# Altium PCB SDC.PcbDoc (part 1 of 3) (continued)
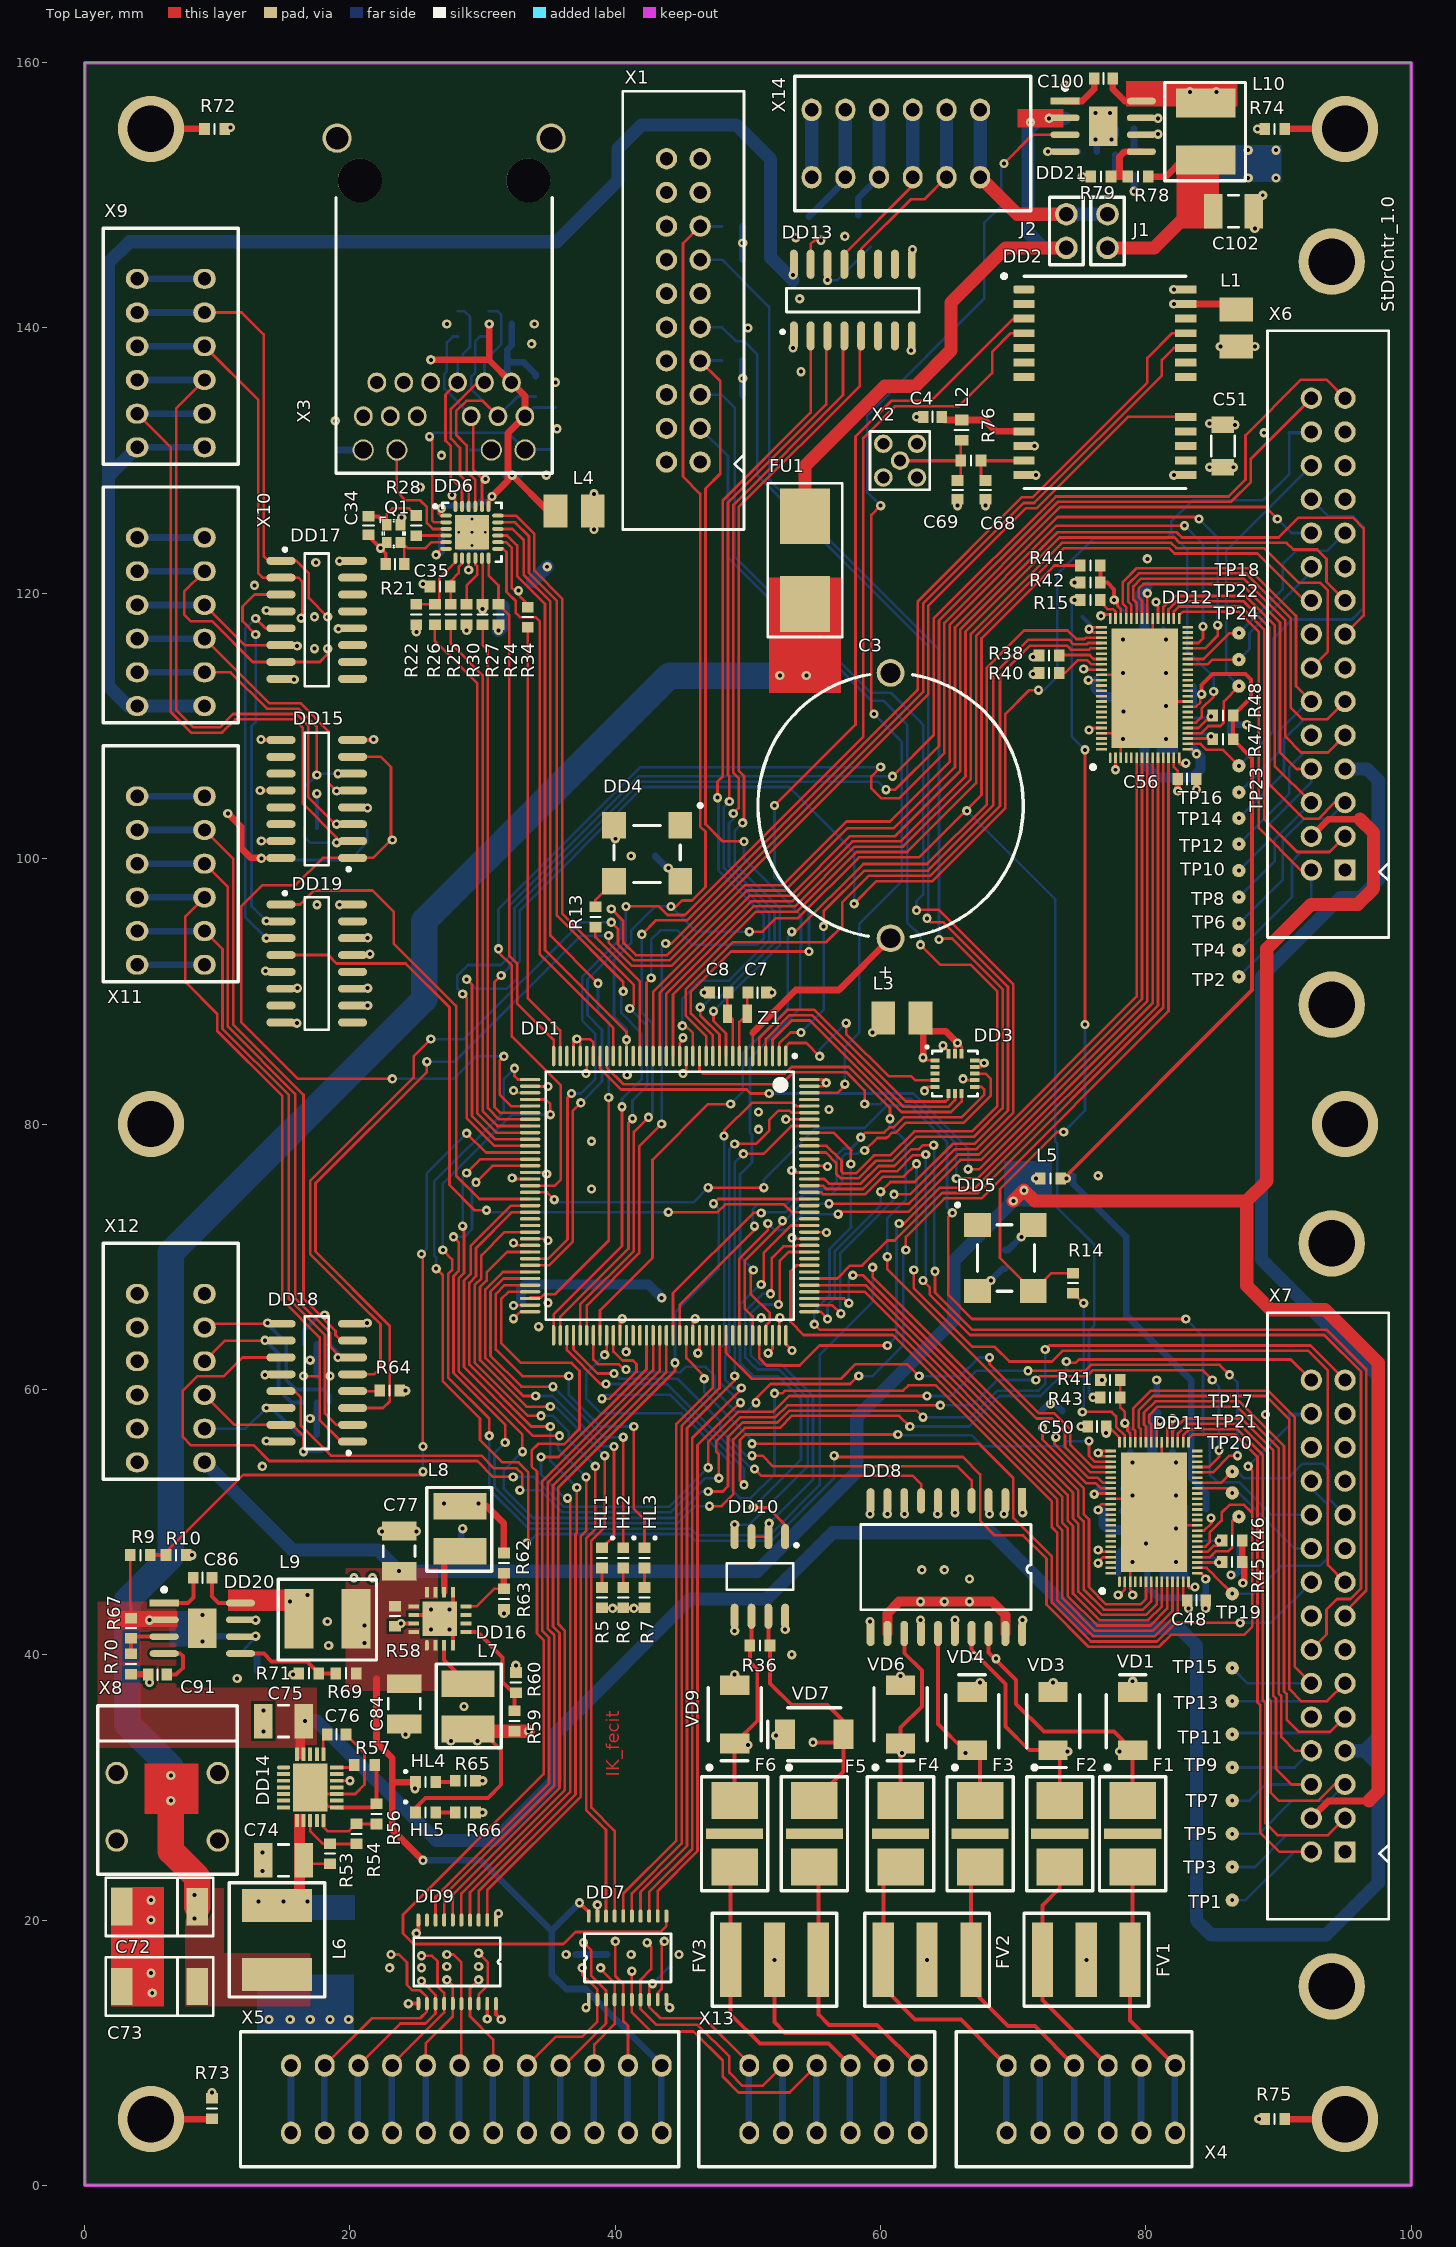
[diagram p0: Top Layer view]
## Components (designator, comment, footprint, x,y, rotation, side; value= is the part's Value field where it differs from the comment)
C1 "CAP" C0603 40.9,85.1 r90 bottom
C2 "CAP" C0603 81.7,142.3 r270 bottom
C3 "KR-5R5H155-R" KR-5R5H155-R 60.75,104 r270 top
C4 "CAP" C0603 63.9,133.3 r0 top
C5 "CAP" C0603 51.1,64 r270 bottom
C6 "CAP" C0603 33.6,66.5 r180 bottom
C7 "CAP" C0603 50.7,89.9 r180 top
C8 "CAP" C0603 47.8,89.9 r0 top
C9 "CAP" C0603 65.8,84.7 r90 bottom
C10 "CAP" C0603 63.2,83.8 r90 bottom
C11 "CAP" C0603 42.3,100.2 r0 bottom
C12 "CAP" C0603 69.4,69.8 r90 bottom
C13 "CAP" C0603 40.6,64 r270 bottom
C14 "CAP" C0603 46.1,64 r270 bottom
C15 "CAP" C0603 53.1,64.1 r270 bottom
C16 "CAP" C0603 54.7,71.4 r0 bottom
C17 "CAP" C0603 54.7,76.6 r0 bottom
C18 "CAP" C0603 56.1,82.3 r90 bottom
C19 "CAP" C0603 45.1,85.1 r90 bottom
C20 "CAP" C0603 37.6,85.1 r90 bottom
C21 "CAP" C0603 33.6,82.6 r180 bottom
C22 "CAP" C0603 33.6,76.1 r180 bottom
C23 "CAP" C0603 33.6,71.1 r180 bottom
C24 "CAP" C0603 33.6,65.3 r180 bottom
C25 "CAP" C0603 30.5,126.2 r90 bottom
C26 "CAP" C0603 27.5,125.7 r180 bottom
C27 "CAP" C0603 33.5,128.9 r180 bottom
C28 "CAP" C0603 29.7,122.6 r270 bottom
C29 "CAP" C0603 27.6,124.4 r180 bottom
C30 "CAP" C0603 27.6,123.1 r180 bottom
C31 "CAP" C0603 32.9,140.3 r0 bottom
C32 "CAP" C0603 35.5,134.7 r270 bottom
C33 "CAP" C0603 33.1,138.1 r270 bottom
C34 "CAP" C0603 21.4,125.1 r90 top
C35 "CAP" C0603 23.4,122.2 r0 top
C36 "CAP" C0603 70,50.1 r180 bottom
C37 "CAP" C0603 53.3,41.2 r90 bottom
C38 "CAP" C0603 30.9,12.1 r0 bottom
C39 "CAP" C0603 78.8,56 r90 bottom
C40 "CAP" C0603 78.5,117.8 r90 bottom
C41 "CAP" C0603 83.85,49.75 r0 bottom
C42 "CAP" C0603 83.85,50.95 r0 bottom
C43 "CAP" C0603 82.9,113 r0 bottom
C44 "CAP" C0603 82.9,111.8 r0 bottom
C45 "CAP" C1206 38.2,76.8 r270 bottom
C46 "CAP" C0603 77.5,47.9 r180 bottom
C47 "CAP" C0603 77.9,45.5 r270 bottom
C48 "CAP" C0603 83.8,44.1 r180 top
C49 "CAP" C0603 82,56 r90 bottom
C50 "CAP" C0603 76.3,57.2 r0 top
C51 "CAP" C1206 85.8,131.1 r270 top
C52 "CAP" C0603 77,109.7 r180 bottom
C53 "CAP" C0603 76.9,114.6 r180 bottom
C54 "CAP" C0603 75.9,118.2 r0 bottom
C55 "CAP" C0603 81.3,118.1 r90 bottom
C56 "CAP" C0603 83.1,106 r180 top
C57 "CAP" C0603 83.6,46.1 r0 bottom
C58 "CAP" C0603 77.5,50.8 r180 bottom
C59 "CAP" C0603 80.8,58.9 r270 bottom
C60 "CAP" C0603 82.9,108.2 r0 bottom
C61 "CAP" C0603 76.9,113.4 r180 bottom
C62 "CAP" C0603 80.1,121.2 r270 bottom
C63 "CAP" C0603 83.6,47.3 r0 bottom
C64 "CAP" C0603 83.6,48.5 r0 bottom
C65 "CAP" C0603 75.2,76.1 r180 bottom
C66 "CAP" C0603 82.9,109.4 r0 bottom
C67 "CAP" C0603 82.9,110.6 r0 bottom
C68 "CAP" C0603 67.9,127.8 r90 top
C69 "CAP" C0603 65.8,127.8 r90 top
C70 "CAP" C0603 90.1,132.1 r0 bottom
C71 "CAP" C0603 90.1,58.1 r0 bottom
C72 "caseD" Cap_D 8.5,21 r0 top
C73 "caseD" Cap_D 8.5,15 r0 top
C74 "CAP" C1210 15,24.5 r0 top
C75 "CAP" C1210 15,35 r0 top
C76 "CAP" C0603 19,34 r180 top
C77 "CAP" C1210 23.7,47.8 r270 top
C78 "CAP" C1210 28.6,35 r270 bottom
C79 "CAP" C0603 18.1,122.4 r0 bottom
C80 "CAP" C0603 18.2,96.5 r0 bottom
C81 "CAP" C0603 13.4,55.3 r90 bottom
C82 "CAP" C0603 14,100.6 r270 bottom
C83 "CAP" C0603 25.5,42.3 r180 bottom
C84 "CAP" C1210 24.1,36.3 r90 top
C85 "CAP" C1210 28.4,49.9 r90 bottom
C86 "CAP" C0603 8.9,45.8 r180 top
C87 "CAP" C0805 6,42.63 r180 bottom
C88 "CAP" C1210 19.6,41.6 r0 bottom
C89 "CAP" C0603 12.3,38.8 r0 bottom
C90 "CAP" C0603 12.3,41.4 r0 bottom
C91 "CAP" C0603 5.5,38.5 r0 top
C92 "caseD" Cap_D 19,21 r90 bottom
C93 "caseD" Cap_D 14,21 r90 bottom
C94 "CAP" C0603 66.7,44.7 r270 bottom
C95 "CAP" C1210 63.9,45.7 r270 bottom
C96 "CAP" C0603 77.6,52.5 r180 bottom
C97 "CAP" C0603 77.9,107.8 r270 bottom
C98 "CAP" C0603 53.4,137.4 r90 bottom
C99 "CAP" C0603 53.4,142.9 r90 bottom
C100 "CAP" C0603 76.8,158.8 r180 top
C101 "CAP" C0805 73.9,156.7 r270 bottom
C102 "CAP" C1210 86.6,148.8 r180 top
C103 "CAP" C0603 78.4,151.5 r180 bottom
C104 "CAP" C0603 78.4,155 r0 bottom
C105 "CAP" C0603 75.6,153.3 r180 bottom
DA1 "USBLC6" ESD_SOT23-6L 29.3,140.3 r90 bottom
DD1 "STM32H743ZxT" STM-LQFP144_L 44.1,74.6 r270 top
DD2 "SIM68V" SIM68M 70.8,142.9 r0 top
DD3 "LIS3DH" LGA-16 64.1,84.8 r0 top
DD4 "KXO-V97" SO4-GEN 44.9,102.5 r270 top
DD5 "KXO-V97" SO4-GEN 67.3,72.4 r0 top
DD6 "LAN8742A" QFN-MJ24 29.2,124.6 r0 top
DD7 "74HC245PWR" TSSOP20 38,14 r90 top
DD8 "ADM2587E" SOIC_20W 69.4,51.6 r270 top
DD9 "74LVC45APWR" TSSOP20 31,20 r270 top
DD10 "STM3485" SO8_L 50.9,45.9 r270 top
DD11 "TMC4671" QFN76 78,45.5 r90 top
DD12 "TMC4671" QFN76 77.3,107.6 r90 top
DD13 "Si8660BA-IS" SO-16_N 57.9,142.1 r90 top
DD14 "TPS26600RHFR" VQFN24 15,31.5 r0 top
DD15 "AM26C31CD" SO-16_N 17.5,104.5 r180 top
DD16 "LM26420X" WQFN16 25.8,40.7 r90 top
DD17 "AM26LV32ID" SO-16_N 17.5,118 r0 top
DD18 "AM26LV32ID" SO-16_N 17.5,60.5 r180 top
DD19 "74HC257" SO-16_N 17.5,92.1 r0 top
DD20 "TPS54332" DDA 6,43.9 r0 top
DD21 "TPS54332" DDA 73.9,157.1 r0 top
F1 "TBU-CA065" TBU-CA 79,26.5 r270 top
F2 "TBU-CA065" TBU-CA 73.5,26.5 r270 top
F3 "TBU-CA065" TBU-CA 67.5,26.5 r270 top
F4 "TBU-CA065" TBU-CA 61.5,26.5 r270 top
F5 "TBU-CA065" TBU-CA 55,26.5 r270 top
F6 "TBU-CA065" TBU-CA 49,26.5 r270 top
FU1 "0154010" omni_block_154 54.3,122.5 r90 top
FV1 "2030-42T-SM" 2030-42T-SM 75.5,17 r0 top
FV2 "2030-42T-SM" 2030-42T-SM 63.5,17 r0 top
FV3 "2030-42T-SM" 2030-42T-SM 52,17 r0 top
HL1 "LED0603" LED0603 39,47.3 r270 top
HL2 "LED0603" LED0603 40.6,47.3 r270 top
HL3 "LED0603" LED0603 42.2,47.3 r270 top
HL4 "LED0603" LED0603 25.7,30.4 r0 top
HL5 "LED0603" LED0603 25.7,28.1 r0 top
J1 "JUMP" JUMP 77.1,147.3 r270 top
J2 "JUMP" JUMP 74,147.3 r270 top
L1 "LQH32CN" LQH32CN 86.8,140 r270 top
L2 "FerriteBead" L0603 66.1,132.3 r270 top
L3 "LQH32CN" LQH32CN 61.6,88 r180 top
L4 "LQH32CN" LQH32CN 36.9,126.2 r180 top
L5 "BLM18AG" R0603 72.8,75.9 r0 top
L6 "XAL6060" XAL6060 14.5,18.5 r90 top
L7 "XAL4030" XAL4030 28.9,36.1 r270 top
L8 "XAL4030" XAL4030 28.3,49.5 r90 top
L9 "XAL5050" XAL5050 18.3,42.7 r0 top
L10 "XAL5050" XAL5050 84.5,154.8 r270 top
Q1 "NX2016SA" CRY_NX2016SA_4P 23.3,124.5 r270 top
R1 "RES" R0603 48.8,134.95 r180 bottom
R2 "RES" R0603 48.8,137.55 r180 bottom
R3 "RES" R0603 48.8,145.15 r180 bottom
R4 "RES" R0603 48.8,147.65 r180 bottom
R5 "RES" R0603 39,44.3 r90 top
R6 "RES" R0603 40.6,44.3 r90 top
R7 "RES" R0603 42.2,44.3 r90 top
R8 "RES" R0603 48.8,140.05 r0 bottom
R9 "RES" R0603 4.2,47.5 r180 top
R10 "RES" R0603 6.9,47.5 r180 top
R11 "RES" R0603 52.1,79.6 r180 bottom
R12 "RES" R0603 52.1,80.9 r0 bottom
R13 "RES" R0603 38.5,95.6 r90 top
R14 "RES" R0603 74.5,68 r90 top
R15 "RES" R0603 75.8,119.5 r180 top
R16 "RES" R0603 33,120.9 r180 bottom
R17 "RES" R0603 30.9,128.9 r0 bottom
R18 "RES" R0603 34,135.6 r90 bottom
R19 "RES" R0603 27.3,137.6 r180 bottom
R20 "RES" R0603 31.1,137.7 r0 bottom
R21 "RES" R0603 26.8,120.5 r0 top
R22 "RES" R0603 25,118.4 r90 top
R23 "RES" R0603 30.8,119 r180 bottom
R24 "RES" R0603 31.2,118.4 r90 top
R25 "RES" R0603 27.6,118.4 r270 top
R26 "RES" R0603 26.4,118.4 r270 top
R27 "RES" R0603 30,118.4 r270 top
R28 "RES" R0603 25,125.1 r270 top
R29 "RES" R0603 26.7,128 r0 bottom
R30 "RES" R0603 28.8,118.4 r90 top
R31 "RES" R0603 35.1,131.6 r270 bottom
R32 "RES" R0603 18.9,131.8 r270 bottom
R33 "RES" R0603 28.3,130.8 r0 bottom
R34 "RES" R0603 33.4,118.2 r270 top
R35 "RES" R0603 67.6,39.7 r180 bottom
R36 "RES" R0603 50.9,40.7 r180 top
R37 "RES" R0603 73.7,57.6 r90 bottom
R38 "RES" R0603 72.7,115.3 r180 top
R39 "RES" R0603 72.1,57.6 r90 bottom
R40 "RES" R0603 72.7,114 r180 top
R41 "RES" R0603 77.3,60.7 r180 top
R42 "RES" R0603 75.8,120.8 r180 top
R43 "RES" R0603 77.3,59.4 r180 top
R44 "RES" R0603 75.8,122.1 r180 top
R45 "RES" R0603 86.5,47 r0 top
R46 "RES" R0603 86.5,48.6 r0 top
R47 "RES" R0603 85.8,109 r0 top
R48 "RES" R0603 85.8,110.8 r0 top
R49 "RES" R0603 86.3,47.3 r180 bottom
R50 "RES" R0603 86.3,48.6 r180 bottom
R51 "RES" R0603 85.6,109.4 r180 bottom
R52 "RES" R0603 85.6,110.6 r180 bottom
R53 "RES" R0603 18.5,25 r270 top
R54 "RES" R0603 20.5,26.5 r270 top
R55 "RES" R0603 21.3,102.9 r270 bottom
R56 "RES" R0603 22,28 r270 top
R57 "RES" R0603 21.1,31.7 r180 top
R58 "RES" R0603 23.4,42.9 r90 top
R59 "RES" R0603 32.4,35 r270 top
R60 "RES" R0603 32.5,37.9 r270 top
R61 "RES" R0603 13.5,120 r90 bottom
R62 "RES" R0603 31.6,46.9 r90 top
R63 "RES" R0603 31.6,44.2 r90 top
R64 "RES" R0603 23,59.9 r0 top
R65 "RES" R0603 28.7,30.5 r180 top
R66 "RES" R0603 28.7,28.1 r180 top
R67 "RES" R0603 3.5,42 r90 top
R68 "RES" R0603 12.3,40.1 r0 bottom
R69 "RES" R0603 19.7,38.6 r0 top
R70 "RES" R0603 3.5,39.3 r90 top
R71 "RES" R0603 16.9,38.6 r0 top
R72 "RES" R0603 9.8,155 r0 top
R73 "RES" R0603 9.6,5.8 r90 top
R74 "RES" R0603 89.7,155 r180 top
R75 "RES" R0603 89.7,5 r180 top
R76 "RES" R0603 66.8,130 r0 top
R77 "RES" R0603 78.5,153.1 r180 bottom
R78 "RES" R0603 79.4,151.4 r0 top
R79 "RES" R0603 76.6,151.4 r0 top
TP1 "Test_point" TP1 86.5,21.5 r90 top
TP2 "Test_point" TP1 87,91.103 r90 top
TP3 "Test_point" TP1 86.5,24 r90 top
TP4 "Test_point" TP1 87,93.1 r90 top
TP5 "Test_point" TP1 86.5,26.5 r90 top
TP6 "Test_point" TP1 87,95.1 r90 top
TP7 "Test_point" TP1 86.5,29 r90 top
TP8 "Test_point" TP1 87,97.1 r90 top
TP9 "Test_point" TP1 86.5,31.5 r90 top
TP10 "Test_point" TP1 87,99.1 r90 top
TP11 "Test_point" TP1 86.5,34 r90 top
TP12 "Test_point" TP1 87,101.1 r90 top
TP13 "Test_point" TP1 86.5,36.5 r90 top
TP14 "Test_point" TP1 87,103.05 r90 top
TP15 "Test_point" TP1 86.5,39 r90 top
TP16 "Test_point" TP1 87,105 r90 top
TP17 "Test_point" TP1 86.5,53.8 r90 top
TP18 "Test_point" TP1 87,117 r90 top
TP19 "Test_point" TP1 86.5,44.6 r90 top
TP20 "Test_point" TP1 87,50.4 r90 top
TP21 "Test_point" TP1 86.5,52.2 r90 top (schematic designator TP17)
TP22 "Test_point" TP1 87,115 r90 top (schematic designator TP17)
TP23 "Test_point" TP1 87,107 r90 top (schematic designator TP17)
TP24 "Test_point" TP1 87,113 r90 top (schematic designator TP17)
VD1 "SMBJ" SMB-DO214 79,35 r270 top
VD2 "SMBJ" SMB-DO214 76,33 r0 bottom
VD3 "SMBJ" SMB-DO214 73,35 r90 top
VD4 "SMBJ" SMB-DO214 66.9,35 r270 top
VD5 "SMBJ" SMB-DO214 64.5,33 r0 bottom
VD6 "SMBJ" SMB-DO214 61.5,35.5 r90 top
VD7 "SMBJ" SMB-DO214 55,34 r0 top
VD8 "SMBJ" SMB-DO214 52,33.5 r0 bottom
VD9 "SMBJ" SMB-DO214 49,35.5 r90 top
VD10 "B550C" SMC-DO214 6,21 r0 bottom
VD11 "ESDA6V1SC6" SOT23-6 17.5,103.5 r270 bottom
VD12 "ESDA6V1SC6" SOT23-6 17.3,117 r90 bottom
VD13 "ESDA6V1SC6" SOT23-6 17.5,62.2 r270 bottom
VD14 "ESDA6V1SC6" SOT23-6 17.5,57.8 r90 bottom
VD15 "B320A" SMA-DO214 18.7,44.9 r180 bottom
VD16 "ESDA5V3SC6" SOT23-6 38.2,17.4 r0 bottom
VD17 "ESDA5V3SC6" SOT23-6 28.5,16.5 r180 bottom
VD18 "ESDA5V3SC6" SOT23-6 24.2,16.4 r180 bottom
VD19 "ESDA5V3SC6" SOT23-6 43,17.4 r0 bottom
VD20 "B320A" SMA-DO214 84.3,154.9 r90 bottom
VT1 "IRLML2803" SOT23 54.6,147.2 r90 bottom
VT2 "IRLML2803" SOT23 58.3,147.3 r90 bottom
X1 "BH-20" IDC-20(BH-20) 46.4,152.75 r270 top
X2 "MMCX" MMCX 60.2,130 r0 top
X3 "0826-1X1T-23-F" 0826-1X1T-23F 27.1,154.3 r0 top
X4 "DG141V-6P" DG141V-06P 82.2,6.5 r180 top
X5 "DG141V-12P" DG141V-12P 43.5,6.5 r180 top
X6 "BH-30" IDC-30(BH-30) 95,122 r270 top
X7 "BH-30" IDC-30(BH-30) 95,48 r270 top
X8 "DG142V-02" DG142V-02 7.5,26 r90 top
X9 "DG141V-6P" DG141V-06P 6.5,131 r90 top
X10 "DG141V-6P" DG141V-06P 6.5,111.5 r90 top
X11 "DG141V-6P" DG141V-06P 6.5,92 r90 top
X12 "DG141V-6P" DG141V-06P 6.5,54.5 r90 top
X13 "DG141V-6P" DG141V-06P 62.8,6.5 r180 top
X14 "DG141V-6P" DG141V-06P 54.8,153.9 r0 top
Z1 "FC-12M" FC-12M 49.2,88.3 r180 top

## Footprints (in the part's own frame and the unit in brackets; to place one, negate y for a bottom-side part, rotate by r counter-clockwise, add the part's x,y. Pads: shape width x height; smd on the part's side, far side on the other; paste and mask are expansions set on the pad)
0826-1X1T-23F [mm]
  round 3.3 hole 3.3 unplated: 0(-6.35,-3.18) 0(6.35,-3.18)
  oval 1.4x1.5 hole 1: 1(-5.075,-18.41) 2(-3.045,-18.41) 3(-1.015,-18.41) 4(1.015,-18.41) 5(3.045,-18.41) 6(5.075,-18.41) 7(-6.09,-20.95) 8(-4.06,-20.95) 9(-2.03,-20.95) 10(2.03,-20.95) 11(4.06,-20.95) 12(6.09,-20.95)
  round 1.6 hole 1.3: 13(-6.1,-23.5) 14(-3.56,-23.5) 15(3.56,-23.5) 16(6.1,-23.5)
  round 2.2 hole 1.7: 17(-8.065,0) 17(8.065,0)
  silkscreen extent -8.15,-25.25 8.15,-4.5, body extent -9.5,-25 9.5,7.69, height 14.97
2030-42T-SM [mm]
  rect 1.6x5.6 smd: 1(-3.3,0) 2(0,0) 3(3.3,0)
  silkscreen extent -4.7,-3.5 4.7,3.5
C0603 [mm] "Chip Capacitor, Body 1.6x0.8mm, IPC High Density"
  rect 0.8x0.9 smd: 1(-0.7,0) 2(0.7,0)
  silkscreen extent 0,-0.4 0,0.4, body extent -0.8,-0.4 0.8,0.4, height 0.79
C0805 [mm] "Chip Capacitor, Body 2.0x1.3mm, IPC High Density"
  rect 1.1x1.4 smd: 1(-0.889,0) 2(0.889,0)
  silkscreen extent 0,-0.6 0,0.6, body extent -1,-0.62 1,0.63, height 0.59
C1206 [mm]
  rect 1.25x1.7 smd: 1(-1.6,0) 2(1.6,0)
  silkscreen extent -0.76,-0.89 0.76,0.89, body extent -1.6,-0.8 1.6,0.8, height 0.77
C1210 [mm] "Chip Capacitor, Body 3.2x2.5mm, IPC High Density"
  rect 1.4x2.6 smd: 1(-1.524,0) 2(1.524,0)
  silkscreen extent -0.4,-1.2 0.4,1.2, body extent -1.6,-1.25 1.6,1.25, height 0.77
Cap_D [mm]
  rect 1.6x2.8 smd: 1(0,0) 2(-5.7,0)
  silkscreen extent -6.9,-2.2 1.2,2.2, body extent -6.55,-2.23 0.85,2.22, height 3.01
CRY_NX2016SA_4P [mm]
  rect 0.85x0.75 smd mask+0.05: 1(-0.675,-0.525) 2(0.675,-0.525) 3(0.675,0.525) 4(-0.675,0.525)
  silkscreen extent -1.22,-1.02 1.05,0.85, body extent -1.05,-0.85 1.05,0.85, height 0.7
DDA [mm]
  rect 2.2x0.5 smd: 1(0,0)
  oval 2.2x0.5 smd: 2(0,-1.27) 3(0,-2.54) 4(0,-3.81) 5(5.75,-3.81) 6(5.75,-2.54) 7(5.75,-1.27) 8(5.75,0)
  rect 2.13x3 smd: 9(2.875,-1.905)
  silkscreen extent -0.15,0.85 0.15,1.15
DG141V-06P [mm]
  oval 1.5x1.7 hole 1: 1(0,2.54) 1(0,-2.54) 2(2.54,2.54) 2(2.54,-2.54) 3(5.08,-2.54) 3(5.08,2.54) 4(7.62,-2.54) 4(7.62,2.54) 5(10.16,-2.54) 5(10.16,2.54) 6(12.7,-2.54) 6(12.7,2.54)
  silkscreen extent -1.27,-5.08 16.51,5.08
DG141V-12P [mm]
  oval 1.5x1.7 hole 1: 1(0,2.54) 1(0,-2.54) 2(2.54,2.54) 2(2.54,-2.54) 3(5.08,-2.54) 3(5.08,2.54) 4(7.62,-2.54) 4(7.62,2.54) 5(10.16,-2.54) 5(10.16,2.54) 6(12.7,-2.54) 6(12.7,2.54) 7(15.24,-2.54) 7(15.24,2.54) 8(17.78,-2.54) 8(17.78,2.54) 9(20.32,-2.54) 9(20.32,2.54) 10(22.86,-2.54) 10(22.86,2.54) 11(25.4,-2.54) 11(25.4,2.54) 12(27.94,-2.54) 12(27.94,2.54)
  silkscreen extent -1.27,-5.08 31.75,5.08
DG142V-02 [mm]
  round 1.7 hole 1.2: 1(0,5.08) 1(0,-2.54) 2(5.08,-2.54) 2(5.08,5.08)
  silkscreen extent -2.54,-4 10.16,6.5
ESD_SOT23-6L [mm]
  rect 0.6x1.2 smd mask+0.05: 1(-0.95,-1.15) 2(0,-1.15) 3(0.95,-1.15) 4(0.95,1.15) 5(0,1.15) 6(-0.95,1.15)
  silkscreen extent -1.87,-1.41 1.53,0.87, body extent -1.52,-1.5 1.52,1.5, height 1.45
FC-12M [mm]
  rect 0.7x1.4 smd: 1(-0.75,0) 2(0.75,0)
IDC-20(BH-20) [mm]
  round 1.6 hole 1: 1(22.86,0) 2(22.86,-2.54) 3(20.32,0) 4(20.32,-2.54) 5(17.78,0) 6(17.78,-2.54) 7(15.24,0) 8(15.24,-2.54) 9(12.7,0) 10(12.7,-2.54) 11(10.16,0) 12(10.16,-2.54) 13(7.62,0) 14(7.62,-2.54) 15(5.08,0) 16(5.08,-2.54) 17(2.54,0) 18(2.54,-2.54) 19(0,0) 20(0,-2.54)
  silkscreen extent -5.08,-5.84 27.94,3.3, body extent -5.01,-6 28.01,3.1, height 8.76
IDC-30(BH-30) [mm]
  rect 1.6x1.6 hole 1: 1(22.86,0)
  round 1.6 hole 1: 2(22.86,-2.54) 3(20.32,0) 4(20.32,-2.54) 5(17.78,0) 6(17.78,-2.54) 7(15.24,0) 8(15.24,-2.54) 9(12.7,0) 10(12.7,-2.54) 11(10.16,0) 12(10.16,-2.54) 13(7.62,0) 14(7.62,-2.54) 15(5.08,0) 16(5.08,-2.54) 17(2.54,0) 18(2.54,-2.54) 19(0,0) 20(0,-2.54) 21(-2.54,0) 22(-2.54,-2.54) 23(-5.08,0) 24(-5.08,-2.54) 25(-7.62,0) 26(-7.62,-2.54) 27(-10.16,0) 28(-10.16,-2.54) 29(-12.7,0) 30(-12.7,-2.54)
  silkscreen extent -17.78,-5.84 27.94,3.3, body extent -17.76,-5.9 27.96,3.2, height 9.11
JUMP [mm]
  round 1.7 hole 1.1: 1(-1.27,0) 2(1.27,0)
  silkscreen extent -2.54,-1.27 2.54,1.27
KR-5R5H155-R [mm] "Ionistor"
  round 2.1 hole 1.5: 1(-10,0) 2(10,0)
  silkscreen extent -9.88,-10 9.88,10
L0603 [mil] "Chip Capacitor, Body 1.6x0.8mm, IPC High Density"
  rect 31.5x40 smd: 1(-30,0) 2(30,0)
  silkscreen extent 0,-21 0,21, body extent -31,-19 31,19, height 31
LED0603 [mm]
  rect 0.8x0.9 smd: 1(-0.762,0) 2(0.762,0)
  silkscreen extent -1.6,-0.38 0,0.9
LGA-16 [mm]
  rect 0.7x0.3 smd: 1(0,0) 2(0,-0.5) 3(0,-1) 4(0,-1.5) 5(0,-2) 9(3,-2) 10(3,-1.5) 11(3,-1) 12(3,-0.5) 13(3,0)
  rect 0.3x0.7 smd: 6(1,-2.5) 7(1.5,-2.5) 8(2,-2.5) 14(2,0.5) 15(1.5,0.5) 16(1,0.5)
  silkscreen extent -0.7,-2.7 3.2,1.1
LQH32CN [mm]
  rect 1.8x2.5 smd: 1(-1.4,0) 2(1.4,0)
  body extent -1.6,-1.4 1.6,1.32, height 2.01